# Altium PCB KS2E_PRECHARGE.PcbDoc (continued)
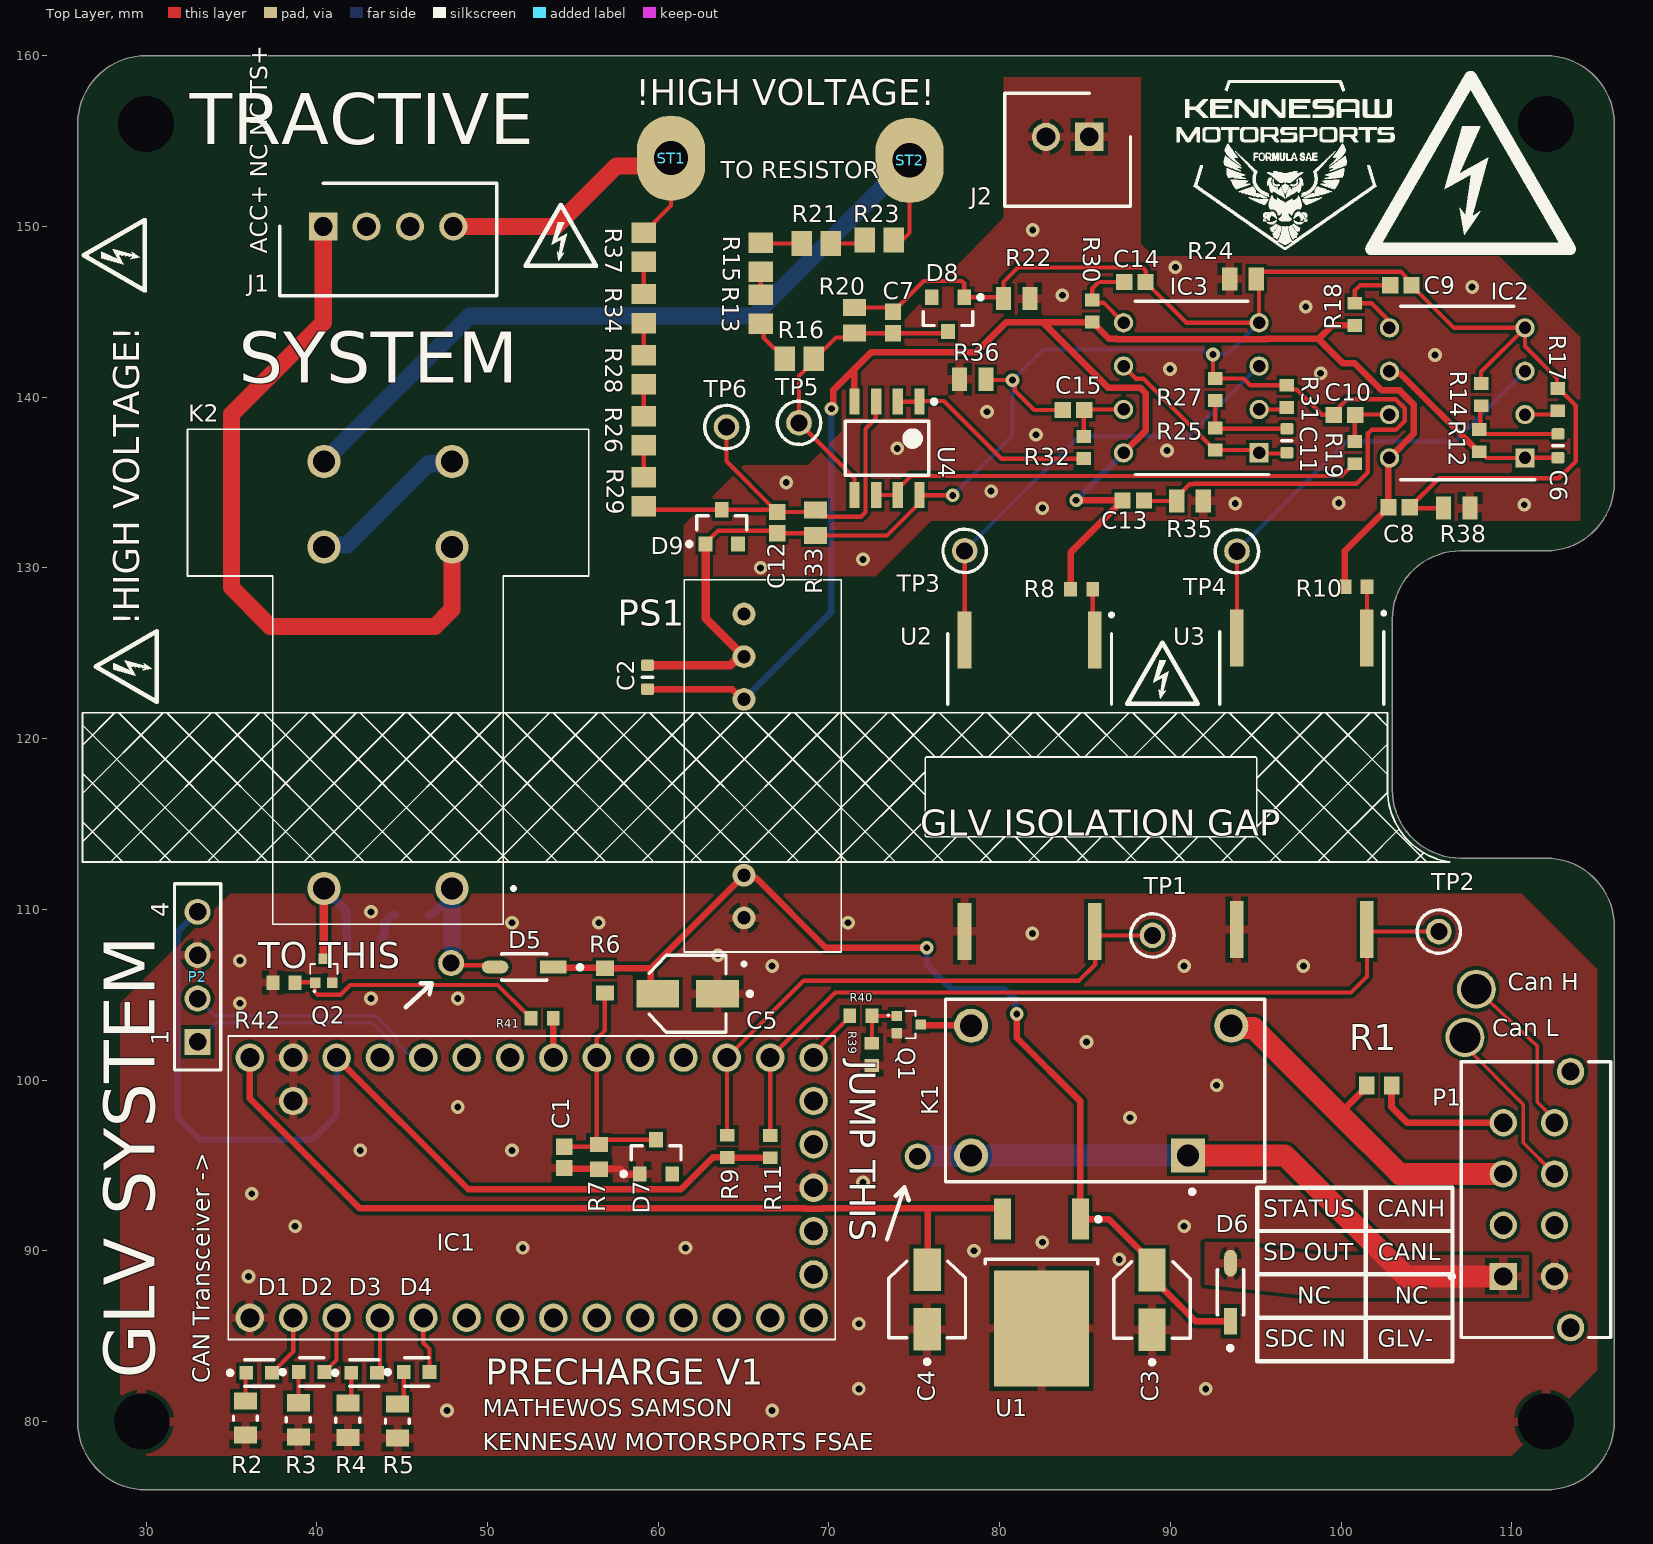
[diagram p0: Top Layer view]
## Footprints (in the part's own frame and the unit in brackets; to place one, negate y for a bottom-side part, rotate by r counter-clockwise, add the part's x,y. Pads: shape width x height; smd on the part's side, far side on the other; paste and mask are expansions set on the pad) (continued)
  rect 0.75x0.85 smd: 1(-0.65,0) 2(0.65,0)
  body extent -0.87,-0.48 0.87,0.48, height 0.55
RESC1608X55X30ML15T15 [mm] "Chip Resistor, 2-Leads, Body 1.60x0.80mm, IPC Low Density"
  rect 0.9x1.05 smd: 1(-0.725,0) 2(0.725,0)
  body extent -0.87,-0.48 0.87,0.48, height 0.55
RESC1609X55X30LL15T15 [mm] "Chip Resistor, 2-Leads, Body 1.75x0.95mm, IPC High Density"
  rect 0.75x0.85 smd: 1(-0.65,0) 2(0.65,0)
  body extent -0.87,-0.48 0.87,0.48, height 0.55
RESC2013X60X40LL20T25 [mm] "Chip Resistor, 2-Leads, Body 2.00x1.25mm, IPC High Density"
  rect 1x1.35 smd: 1(-0.75,0) 2(0.75,0)
  body extent -1.1,-0.72 1.1,0.72, height 0.6
RESC2013X60X40NL20T25 [mm] "Chip Resistor, 2-Leads, Body 2.00x1.25mm, IPC Medium Density"
  rect 1.2x1.45 smd: 1(-0.85,0) 2(0.85,0)
  body extent -1.1,-0.72 1.1,0.72, height 0.6
RESC2013X65X40LL15T20 [mm] "Chip Resistor, 2-Leads, Body 2.00x1.30mm, IPC High Density"
  rect 0.9x1.35 smd: 1(-0.775,0) 2(0.775,0)
  body extent -1.07,-0.72 1.07,0.72, height 0.65
SHDR2W64P0X254_1X2_737X660X1181P [mm]
  rect 1.65x1.65 hole 1.1: 1(0,0)
  round 1.65 hole 1.1: 2(2.54,0)
  silkscreen extent -2.42,-2.54 4.96,4.06, body extent -2.41,-3.3 4.95,3.3, height 11.81
SHDR4W64P0X254_1X4_1271X660X1181P [mm]
  rect 1.65x1.65 hole 1.1: 1(0,0)
  round 1.65 hole 1.1: 2(-2.54,0) 3(-5.08,0) 4(-7.62,0)
  silkscreen extent -10.16,-2.54 2.55,4.06, body extent -10.17,-3.3 2.55,3.3, height 11.81
SOIC762P1940X755-4N [mm]
  rect 3.34x0.8 smd: 1(-8.535,3.81) 2(-8.535,-3.81) 3(8.535,-3.81) 4(8.535,3.81)
  silkscreen extent -10.1,-4.8 -4.75,4.9
SPAN02A12 [mm]
  round 1.337 hole 0.78: 1(0,0) 2(2.5,0) 6(12.8,0) 7(15.3,0) 8(17.8,0)
  round 1.337 on Top Overlay: 3(5,0) 5(10.3,0)
  silkscreen extent -2.8,-5.7 19.8,3.5, body extent -2,-5.7 19.8,3.5, height 11.7
TEENSY40 [mm]
  round 1.665 hole 1.11: 1(0,0) 2(2.54,0) 3(5.08,0) 4(7.62,0) 5(10.16,0) 6(12.7,0) 7(15.24,0) 8(17.78,0) 9(20.32,0) 10(22.86,0) 11(25.4,0) 12(27.94,0) 13(30.48,0) 14(33.02,0) 15(33.02,2.54) 16(33.02,5.08) 17(33.02,7.62) 18(33.02,10.16) 19(33.02,12.7) 20(33.02,15.24) 21(30.48,15.24) 22(27.94,15.24) 23(25.4,15.24) 24(22.86,15.24) 25(20.32,15.24) 26(17.78,15.24) 27(15.24,15.24) 28(12.7,15.24) 29(10.16,15.24) 30(7.62,15.24) 31(5.08,15.24) 32(2.54,15.24) 33(0,15.24) 34(2.54,12.7)
  silkscreen extent -1.27,-1.27 34.29,16.51, body extent -1.87,-1.27 34.39,16.51, height 4.55
TO-252_M [mm] "D-PAK, 4-Leads, Body 6.1x6.5mm, Pitch 2.28mm, Lead Span 9.7mm, IPC Low Density"
  rect 2.4x1 smd: 1(-4.3,2.28) 3(-4.3,-2.28)
  rect 6.8x5.55 smd: 4(2.1,0)
  silkscreen extent -4.42,-3.3 -1.7,3.46, body extent -1.95,-3.3 4.25,3.3, height 2.4

## Part data
C1 C7 C8 C9 C10 C12 C13 C14 C15: library part CMP-001-00017-6, "Chip Capacitor, 100 nF, +/- 10%, 50 V, 0603 (1608 Metric)", Capacitor Type=Ceramic, Case/Package=0603, Max Operating Temperature=125°C, Min Operating Temperature=-55°C, Tolerance=10%, Voltage Rating=50V, Mounting Technology=SM, Pins=2, RoHS Compliant=True
C2 C6 C11: library part CMP-001-00055-4, "Chip Capacitor, 1µF +/-0.1%, 25V, 0603, Thickness 1 mm", Case/Package=0603, Max Operating Temperature=85°C, Min Operating Temperature=-55°C, Tolerance=20%, Voltage Rating=25V, Mounting Technology=SMT, Pins=2
C3 C4 C5: library part CMP-05427-000055-1, "CAP ALUM 10UF 20% 25V SMD", Capacitance=10uF, Case/Package=Radial, Dielectric Material=Aluminium, ESR (Equivalent Series Resistance)=1.35R, Leakage Current=3uA, Max Operating Temperature=105°C, Min Operating Temperature=-55°C, Package Quantity=1, Ripple Current=90mA, Tolerance=20%, Voltage=25V, Construction=Cylindrical, Contact Plating=Tin, Diameter=4mm, Height=5.8mm, Height - Seated (Max)=0.24inch, Impedance=1.35R, Lead Free="Lead Free", Length=5.8mm, Life (Hours)=2000Hour, Mount="Surface Mount", Number of Pins=2, Packaging="Tape and Reel", Polarity=Polar, Radiation Hardening=No, REACH SVHC="No SVHC", Ripple Current (AC)=90mA, RoHS Compliant=Yes, Series=FK, Termination=SMD/SMT, Voltage Rating=25V, Voltage Rating (DC)=25V, Width=5.5mm
D1 D3: library part CMP-2000-06622-2, "LED GREEN CLEAR CHIP SMD", Case Code (Imperial)=0603, Case Code (Metric)=1608, Color=Green, Forward Current=30mA, Forward Voltage=2.3V, Lens Color=Colorless, Max Operating Temperature=85°C, Min Operating Temperature=-55°C, Package Quantity=3000, Power Dissipation=75mW, Reverse Voltage=5V, Test Current=5mA, Case/Package=0603, Depth=0.8mm, Dominant Wavelength=576.5nm, Height=0.35mm, Illumination Color=Green, Lead Free="Lead Free", Length=1.6mm, Lens Style=Diffused, Lens Transparency=Clear, Luminous Intensity=28mcd, Mount="Surface Mount", Number of Elements=1, Number of LEDs=1, Number of Pins=2, Packaging="Tape and Reel", Power Rating=75mW, Radiation Hardening=No, Viewing Angle=130°, Width=0.8mm
D2 D4: library part CMP-2000-06623-2, "LED RED CLEAR CHIP SMD", Case Code (Imperial)=0603, Case Code (Metric)=1608, Color=Red, Forward Current=5mA, Forward Voltage=2.3V, Lens Color=Colorless, Max Operating Temperature=85°C, Min Operating Temperature=-55°C, Package Quantity=3000, Power Dissipation=50mW, Reverse Voltage=5V, Case/Package=0603, Depth=0.8mm, Dominant Wavelength=631nm, Height=0.35mm, Illumination Color=Red, Lead Free="Lead Free", Length=1.6mm, Lens Style=Diffused, Lens Transparency=Clear, Luminous Intensity=45mcd, Mount="Surface Mount", Number of Elements=1, Number of LEDs=1, Number of Pins=2, Packaging="Tape and Reel", Radiation Hardening=No, Test Current=5mA, Viewing Angle=130°, Width=0.8mm
D5 D6: library part CMP-0303-00003-3, "DIODE SCHOTTKY 40V 1A SOD123", Average Rectified Current=1A, Capacitance=110pF, Case/Package=SOD-123-2, Forward Voltage=450mV, Max Forward Surge Current (Ifsm)=25A, Max Operating Temperature=125°C, Max Power Dissipation=450mW, Max Repetitive Reverse Voltage (Vrrm)=40V, Min Operating Temperature=-65°C, Package Quantity=3000, Peak Reverse Current=50uA, Contact Plating=Tin, Current Rating=1A, Element Configuration=Single, Forward Current=1A, Height=1.25mm, Lead Free="Lead Free", Length=2.85mm, Max Reverse Voltage (DC)=40V, Number of Pins=2, Output Current=1A, Packaging="Tape and Reel", Peak Non-Repetitive Surge Current=25A, Polarity=Standard, Radiation Hardening=No, REACH SVHC="No SVHC", Termination=SMD/SMT, Voltage Rating (DC)=40V, Weight=0.000353oz, Width=1.7mm
D7: library part CMP-1060-01189-1, "Zener Voltage Regulator, 225 mW, 3-Pin SOT-23, Pb-Free, Tape and Reel", Manufacturer="On Semiconductor", ComponentLink1Description="Manufacturer URL", ComponentLink1URL=http://www.onsemi.com/, ComponentLink2Description=Datasheet, ComponentLink2URL=http://www.onsemi.com/pub_link/Collateral/BZX84C2V4LT1-D.PDF, ComponentLink3Description="Package Specification", ComponentLink3URL=http://www.onsemi.cn/pub_link/Collateral/318-08.PDF, DatasheetVersion="Rev. 17", Mounting Technology="Surface Mount", PackageDescription="3-Pin Small Outline Transistor, Body 2.92 x 1.3 mm, Pitch 0.95 mm", PackageReference=SOT-23-3-318-08, PackageVersion="Rev. AP, 11/2009", Packing="Tape and Reel", PartNumber=BZX84C3V3LT1G, RoHS=Pb-Free
D8 D9: library part CMP-1060-00857-1, "Zener Voltage Regulator, 225 mW, 3-Pin SOT-23, Pb-Free, Tape and Reel", Manufacturer="On Semiconductor", ComponentLink1Description="Manufacturer URL", ComponentLink1URL=http://www.onsemi.com/, ComponentLink2Description=Datasheet, ComponentLink2URL=http://www.onsemi.com/pub_link/Collateral/BZX84C2V4LT1-D.PDF, ComponentLink3Description="Package Specification", ComponentLink3URL=http://www.onsemi.cn/pub_link/Collateral/318-08.PDF, DatasheetVersion="Rev. 17", Mounting Technology="Surface Mount", PackageDescription="3-Pin Small Outline Transistor, Body 2.92 x 1.3 mm, Pitch 0.95 mm", PackageReference=SOT-23-3-318-08, PackageVersion="Rev. AP, 11/2009", Packing="Tape and Reel", PartNumber=BZX84C12LT1G, RoHS=Pb-Free
D10: library part CMP-0881-00001-1, "High Conductance Fast Switching Diode, 75 V, -55 to 150 degC, 2-Pin SOD523F, RoHS", Manufacturer="Fairchild Semiconductor", Temperature Range="-55 to 150 degC", BVR (IR="5 uA)=75 V Min.", CO="4 pF Max.", ComponentLink1Description="Manufacturer URL", ComponentLink1URL=http://www.fairchildsemi.com/, ComponentLink2Description=Datasheet, ComponentLink2URL=http://www.fairchildsemi.com/ds/1N/1N4148WT.pdf, DatasheetVersion="Rev. A2", IR (VR="75 V)=5 uA Max.", Mounting Technology="Surface Mount", PackageDescription="2-Pin Surface Mount Device, Body 1.2 x 0.8 mm, Height 0.7 mm", PackageReference=SOD-523F-2, PartNumber=1N4148WT, RoHS=TRUE, VF="1 V Max."
D11: library part CMP-1060-01178-1, "Zener Voltage Regulator, 225 mW, 3-Pin SOT-23, Pb-Free, Tape and Reel", Manufacturer="On Semiconductor", ComponentLink1Description="Manufacturer URL", ComponentLink1URL=http://www.onsemi.com/, ComponentLink2Description=Datasheet, ComponentLink2URL=http://www.onsemi.com/pub_link/Collateral/BZX84C2V4LT1-D.PDF, ComponentLink3Description="Package Specification", ComponentLink3URL=http://www.onsemi.cn/pub_link/Collateral/318-08.PDF, DatasheetVersion="Rev. 17", Mounting Technology="Surface Mount", PackageDescription="3-Pin Small Outline Transistor, Body 2.92 x 1.3 mm, Pitch 0.95 mm", PackageReference=SOT-23-3-318-08, PackageVersion="Rev. AP, 11/2009", Packing="Tape and Reel", PartNumber=BZX84C36LT1G, RoHS=Pb-Free
IC1: "Integrated Circuit", Manufacturer_Name=Teensy, Manufacturer_Part_Number="TEENSY 4.0", Datasheet Link=https://www.pjrc.com/store/teensy40.html, Height=4.64mm
IC2 IC3: "Integrated Circuit", Arrow Part Number=LM331N/NOPB, Manufacturer_Name="Texas Instruments", Mouser Part Number=926-LM331N/NOPB, Arrow Price/Stock=https://www.arrow.com/en/products/lm331nnopb/texas-instruments?region=nac, Datasheet Link=http://www.ti.com/lit/ds/symlink/lm231.pdf, Height=5.08mm, Manufacturer_Part_Number=LM331N/NOPB, Mouser Price/Stock=https://www.mouser.co.uk/ProductDetail/Texas-Instruments/LM331N-NOPB?qs=X1J7HmVL2ZHJklHIKp8KMQ%3D%3D
J1 J2: "Connector", Manufacturer_Name=Molex, Mouser Part Number=N/A, Height=11.81mm
  J1: Arrow Part Number=0705430003, Arrow Price/Stock=https://www.arrow.com/en/products/0705430003/molex, Datasheet Link=https://www.molex.com/pdm_docs/sd/705430001_sd.pdf, Manufacturer_Part_Number=0705430003, Mouser Price/Stock=https://www.mouser.co.uk/ProductDetail/Molex/0705430003?qs=PBcRNPEHKsrDKEIJAwSKnQ%3D%3D
  J2: Arrow Part Number=0705430001, Arrow Price/Stock=https://www.arrow.com/en/products/0705430001/molex?region=europe, Datasheet Link=https://www.molex.com/webdocs/datasheets/pdf/en-us/0705430001_PCB_HEADERS.pdf, Manufacturer_Part_Number=0705430001, Mouser Price/Stock=https://www.mouser.co.uk/ProductDetail/Molex/0705430001?qs=PBcRNPEHKsrZYrVlaLTOSA%3D%3D
K1: library part CMP-03396-000213-1, "RELAY GEN PURPOSE SPST 3A 12V", Coil Current=16.67mA, Coil Power=200mW, Coil Resistance=720R, Coil Voltage (DC)=12V, Contact Current Rating=3A, Contact Voltage Rating (DC)=30V, Max Operating Temperature=105°C, Max Voltage Rating (AC)=250V, Min Operating Temperature=-30°C, Package Quantity=100, Application(s)="GENERAL PURPOSE", Approvals=UL, Coil Type=Non-Latching, Contact Material=Silver, Current Rating=3A, Depth=10.2mm, ELV=Compliant, Height=14.7mm, Lead Free="Lead Free", Length=0.717inch, Max Voltage Rating (DC)=30V, Mount="Through Hole", Number of Pins=4, Operate Time=10ms, Packaging=Tray, Power Consumption=200mW, Power Rating=200mW, Radiation Hardening=No, Relay Type="General Purpose", Release Time=4ms, RoHS Compliant=Yes, Series=T77, Termination=PCB, Throw Configuration=SPST, Type=Electromechanical, Voltage Rating (AC)=250V, Weight=9g, Width=0.4inch
K2: "Relay or Contactor", Manufacturer_Name="Omron Electronics", Manufacturer_Part_Number="G2RG-2A-X DC12", Mouser Part Number=653-G2RG-2A-XDC12, Datasheet Link=https://media.digikey.com/pdf/Data%20Sheets/Omron%20PDFs/G2RG-X.pdf, Height=29.5mm, Mouser Price/Stock=https://www.mouser.co.uk/ProductDetail/Omron-Electronics/G2RG-2A-X-DC12?qs=DPoM0jnrROVJ0ySZlbdwjA%3D%3D
P1: library part CMP-1594-00003-1, "3 mm Pitch Micro-Fit 3.0 Connector, 17.27 mm Mated Height, Vertical, Through Hole, 8 Circuits, -40 to 105 degC, RoHS, Tray", Temperature Max="105 degC", Temperature Min="-40 degC", ComponentLink1Description="Manufacturer URL", ComponentLink1URL=http://www.molex.com/, ComponentLink2Description=Datasheet, ComponentLink2URL=http://www.molex.com/webdocs/datasheets/pdf/en-us/0430450812_PCB_HEADERS.pdf, ComponentLink3Description="Package Specification", ComponentLink3URL=http://www.molex.com/pdm_docs/sd/430450812_sd.pdf, Mounting Technology="Through Hole", No. of Positions=8, No. of Rows=2, Orientation=Vertical, PackageDescription="8-Pin PCB Header, Vertical, Pitch 3 mm, Mated Height 17.27 mm, Through Hole", PackageVersion="Rev. F, 06/2009", Packing=Tray, PartNumber=43045-0812, Pitch="3 mm", RoHS=TRUE
P2: library part CMP-1502-01316-1, "THT Vertical Socket Header WR-PHD, Pitch 2.54 mm, Single Row, 4 pins", Contact Resistance=20mOhm, Manufacturer="Wurth Elektronik", Operating Temperature=-40to125degC, Rated Current=3A, Withstanding Voltage=500VAC, Working Voltage=250VAC, Datasheet URL=https://katalog.we-online.de/em/datasheet/6130xx11821.pdf, Gender=Female, Manufacturer URL=http://www.we-online.de, Mounting Technology=THT, Orientation=Vertical, Package Reference=61300411821, Packaging=Tray, Part Number=61300411821, Pin Number=4, Pitch=2.54mm, Publisher=WurthElektronik, Row Number=Single
PS1: "Power Supply", Manufacturer_Name="Mean Well", Mouser Part Number=709-SPAN02A-12, Arrow Part Number=SPAN02A-12, Arrow Price/Stock=https://www.arrow.com/en/products/span02a-12/mean-well-enterprises?region=nac, Datasheet Link=https://datasheet.datasheetarchive.com/originals/distributors/DKDS-2/37032.pdf, Height=11.6mm, Manufacturer_Part_Number=SPAN02A-12, Mouser Price/Stock=https://www.mouser.co.uk/ProductDetail/MEAN-WELL/SPAN02A-12?qs=5aG0NVq1C4wxQqKsG84AkQ%3D%3D
Q1 Q2: "MOSFET (N-Channel)", Manufacturer_Name=Toshiba, Mouser Part Number=757-SSM3K56FSLF, Arrow Part Number=SSM3K56FS,LF, Arrow Price/Stock=https://www.arrow.com/en/products/ssm3k56fslf/toshiba?region=nac, Datasheet Link=http://toshiba.semicon-storage.com/info/docget.jsp?did=13419&prodName=SSM3K56FS, Height=0mm, Manufacturer_Part_Number=SSM3K56FS,LF, Mouser Price/Stock=https://www.mouser.co.uk/ProductDetail/Toshiba/SSM3K56FSLF?qs=PiFplXvYe5XjAd54EjZm0w%3D%3D
R1 R6 R7: library part CMP-2000-00318-1, Manufacturer=Panasonic, Part Number=ERJ-3EKF2002V
R2 R3 R4 R5: library part CMP-03211-010956-1, "SMD Chip Resistor, Thin Film, 200Ω, 100 V, 0805 [2012 Metric], 100 mW, 0.1%, RN73 Series", Manufacturer="TE Connectivity", Package=RN732A, Power Rating=0.1W, Resistance=200Ω, Temperature="-55°C to 155°C", Temperature Coefficient=10ppm/°C, Temperature Range High=155°C, Temperature Range Low=-55°C, Tolerance=0.1%, Voltage Rating=100V, Automotive=No, Category=Res, ComponentLink2Description=Datasheet, ComponentLink2URL=https://www.te.com/commerce/DocumentDelivery/DDEController?Action=showdoc&DocId=Data+Sheet%7F1773270%7FP%7Fpdf%7FEnglish%7FENG_DS_1773270_P.pdf%7F1676162-2, Composition="Thin Film", Device Class L1="Passive Components", Device Class L2=Resistors, Device Class L3="Chip SMD Resistors", Height=0.65mm, Ipc Land Pattern Name=RESC200125X55, Lead Free=Yes, Manufacturer Part Number=RN73C2A200RBTD, Octopart=https://octopart.com/rn73c2a200rbtd-te+connectivity-22736993, octopart_url=https://octopart.com/rn73c2a200rbtd-te+connectivity-22736993, Packaging="5000 Reel", RoHS=TRUE, Series=RN73
R8 R10: library part CMP-1012-00623-3, "Chip Resistor, 10 KOhm, +/- 1%, 0.1 W, -55 to 155 degC, 0603 (1608 Metric), RoHS, Tape and Reel", Case Code (Imperial)=0603, Case Code (Metric)=1608, Manufacturer=Panasonic, Max Operating Temperature=155degC, Max Power Dissipation=100mW, Min Operating Temperature=-55degC, Package Description="2-Pin Surface Mount Device, Body 1.6 x 0.85 mm", Package Quantity=1, Package Reference=603, Resistance=560, Temperature Coefficient=100ppm\/degreesC, Tolerance=1%, Voltage Rating=75V, Case\/Package=0603, Composition=ThickFilm, Contact Plating=Tin, Datasheet URL=https://industrial.panasonic.com/cdbs/www-data/pdf/RDA0000/AOA0000C304.pdf, Datasheet Version=02/2017, Depth=0.8mm, Height=0.45mm, Lead Free=LeadFree, Length=1.6mm, Manufacturer URL=http://www.panasonic.com/, Military Standard=Not, Mount=SurfaceMount, Mounting Technology=SurfaceMount, Number of Pins=2, Number of Terminations=2, Packaging=TapeandReel, Power Rating=100mW, Radiation Hardening=No, REACH SVHC=NoSVHC, RoHSCompliant=true, Termination=SMD/SMT, Voltage Rating (DC)=75V, Width=0.031inch
R9 R11: library part CMP-1012-00623-3, "Chip Resistor, 10 KOhm, +/- 1%, 0.1 W, -55 to 155 degC, 0603 (1608 Metric), RoHS, Tape and Reel", Case Code (Imperial)=0603, Case Code (Metric)=1608, Manufacturer=Panasonic, Max Operating Temperature=155degC, Max Power Dissipation=100mW, Min Operating Temperature=-55degC, Package Description="2-Pin Surface Mount Device, Body 1.6 x 0.85 mm", Package Quantity=1, Package Reference=603, Resistance=1.5k, Temperature Coefficient=100ppm\/degreesC, Tolerance=1%, Voltage Rating=75V, Case\/Package=0603, Composition=ThickFilm, Contact Plating=Tin, Datasheet URL=https://industrial.panasonic.com/cdbs/www-data/pdf/RDA0000/AOA0000C304.pdf, Datasheet Version=02/2017, Depth=0.8mm, Height=0.45mm, Lead Free=LeadFree, Length=1.6mm, Manufacturer URL=http://www.panasonic.com/, Military Standard=Not, Mount=SurfaceMount, Mounting Technology=SurfaceMount, Number of Pins=2, Number of Terminations=2, Packaging=TapeandReel, Power Rating=100mW, Radiation Hardening=No, REACH SVHC=NoSVHC, RoHSCompliant=true, Termination=SMD/SMT, Voltage Rating (DC)=75V, Width=0.031inch
R12 R19 R25 R32: library part CMP-1012-00623-3, "Chip Resistor, 10 KOhm, +/- 1%, 0.1 W, -55 to 155 degC, 0603 (1608 Metric), RoHS, Tape and Reel", Case Code (Imperial)=0603, Case Code (Metric)=1608, Manufacturer=Panasonic, Max Operating Temperature=155degC, Max Power Dissipation=100mW, Min Operating Temperature=-55degC, Package Description="2-Pin Surface Mount Device, Body 1.6 x 0.85 mm", Package Quantity=1, Package Reference=603, Resistance=100K, Temperature Coefficient=100ppm\/degreesC, Tolerance=1%, Voltage Rating=75V, Case\/Package=0603, Composition=ThickFilm, Contact Plating=Tin, Datasheet URL=https://industrial.panasonic.com/cdbs/www-data/pdf/RDA0000/AOA0000C304.pdf, Datasheet Version=02/2017, Depth=0.8mm, Height=0.45mm, Lead Free=LeadFree, Length=1.6mm, Manufacturer URL=http://www.panasonic.com/, Military Standard=Not, Mount=SurfaceMount, Mounting Technology=SurfaceMount, Number of Pins=2, Number of Terminations=2, Packaging=TapeandReel, Power Rating=100mW, Radiation Hardening=No, REACH SVHC=NoSVHC, RoHSCompliant=true, Termination=SMD/SMT, Voltage Rating (DC)=75V, Width=0.031inch
R13 R15 R16 R21 R23 R26 R28 R29 R34 R37: library part CMP-2001-00651-1, Manufacturer=Panasonic, Part Number=ERA-6AEB514V
R14 R27: library part CMP-1012-00623-3, "Chip Resistor, 10 KOhm, +/- 1%, 0.1 W, -55 to 155 degC, 0603 (1608 Metric), RoHS, Tape and Reel", Case Code (Imperial)=0603, Case Code (Metric)=1608, Manufacturer=Panasonic, Max Operating Temperature=155degC, Max Power Dissipation=100mW, Min Operating Temperature=-55degC, Package Description="2-Pin Surface Mount Device, Body 1.6 x 0.85 mm", Package Quantity=1, Package Reference=603, Resistance=47R, Temperature Coefficient=100ppm\/degreesC, Tolerance=1%, Voltage Rating=75V, Case\/Package=0603, Composition=ThickFilm, Contact Plating=Tin, Datasheet URL=https://industrial.panasonic.com/cdbs/www-data/pdf/RDA0000/AOA0000C304.pdf, Datasheet Version=02/2017, Depth=0.8mm, Height=0.45mm, Lead Free=LeadFree, Length=1.6mm, Manufacturer URL=http://www.panasonic.com/, Military Standard=Not, Mount=SurfaceMount, Mounting Technology=SurfaceMount, Number of Pins=2, Number of Terminations=2, Packaging=TapeandReel, Power Rating=100mW, Radiation Hardening=No, REACH SVHC=NoSVHC, RoHSCompliant=true, Termination=SMD/SMT, Voltage Rating (DC)=75V, Width=0.031inch
R17 R31: library part CMP-1012-00623-3, "Chip Resistor, 10 KOhm, +/- 1%, 0.1 W, -55 to 155 degC, 0603 (1608 Metric), RoHS, Tape and Reel", Case Code (Imperial)=0603, Case Code (Metric)=1608, Manufacturer=Panasonic, Max Operating Temperature=155degC, Max Power Dissipation=100mW, Min Operating Temperature=-55degC, Package Description="2-Pin Surface Mount Device, Body 1.6 x 0.85 mm", Package Quantity=1, Package Reference=603, Resistance=12k, Temperature Coefficient=100ppm\/degreesC, Tolerance=1%, Voltage Rating=75V, Case\/Package=0603, Composition=ThickFilm, Contact Plating=Tin, Datasheet URL=https://industrial.panasonic.com/cdbs/www-data/pdf/RDA0000/AOA0000C304.pdf, Datasheet Version=02/2017, Depth=0.8mm, Height=0.45mm, Lead Free=LeadFree, Length=1.6mm, Manufacturer URL=http://www.panasonic.com/, Military Standard=Not, Mount=SurfaceMount, Mounting Technology=SurfaceMount, Number of Pins=2, Number of Terminations=2, Packaging=TapeandReel, Power Rating=100mW, Radiation Hardening=No, REACH SVHC=NoSVHC, RoHSCompliant=true, Termination=SMD/SMT, Voltage Rating (DC)=75V, Width=0.031inch
R18 R30: library part CMP-1012-00623-3, "Chip Resistor, 10 KOhm, +/- 1%, 0.1 W, -55 to 155 degC, 0603 (1608 Metric), RoHS, Tape and Reel", Case Code (Imperial)=0603, Case Code (Metric)=1608, Manufacturer=Panasonic, Max Operating Temperature=155degC, Max Power Dissipation=100mW, Min Operating Temperature=-55degC, Package Description="2-Pin Surface Mount Device, Body 1.6 x 0.85 mm", Package Quantity=1, Package Reference=603, Resistance=6.8k, Temperature Coefficient=100ppm\/degreesC, Tolerance=1%, Voltage Rating=75V, Case\/Package=0603, Composition=ThickFilm, Contact Plating=Tin, Datasheet URL=https://industrial.panasonic.com/cdbs/www-data/pdf/RDA0000/AOA0000C304.pdf, Datasheet Version=02/2017, Depth=0.8mm, Height=0.45mm, Lead Free=LeadFree, Length=1.6mm, Manufacturer URL=http://www.panasonic.com/, Military Standard=Not, Mount=SurfaceMount, Mounting Technology=SurfaceMount, Number of Pins=2, Number of Terminations=2, Packaging=TapeandReel, Power Rating=100mW, Radiation Hardening=No, REACH SVHC=NoSVHC, RoHSCompliant=true, Termination=SMD/SMT, Voltage Rating (DC)=75V, Width=0.031inch
R20: library part CMP-2001-00636-1, Manufacturer=Panasonic, Part Number=ERA6AEB393V
R22 R24 R35 R36 R38: library part CMP-2000-07514-1, "Chip Resistor, 0 Ohm, 0.125 W, -55 to 125 degC, 0805 (2012 Metric), RoHS, Tape and Reel", Case Code (Imperial)=0805, Case Code (Metric)=2012, Manufacturer="TE Connectivity", Max Operating Temperature=125degC, Min Operating Temperature=-55degC, Number of Resistors=1, Package Description="2-Pin Surface Mount Device, Body 2 x 1.25 mm", Package Quantity=5000, Package Reference=RESC2013X65X40L15T20, Power Rating=125mW, Resistance=0mOhm, Tolerance=0%, Voltage Rating=150V, Case\/Package=0805, Composition=ThickFilm, Datasheet URL=www.te.com/commerce/DocumentDelivery/DDEController?Action=showdoc&DocId=Customer+Drawing%7F1623401%7FBA%7Fpdf%7FEnglish%7FENG_CD_1623401_BA.pdf%7F1623401-1, Datasheet Version="Rev. BA, 12/2009", Depth=1.25mm, ELV=Compliant, Height=0.55mm, Length=2mm, Manufacturer URL=http://www.te.com/, Mount=SurfaceMount, Mounting Technology=SurfaceMount, Number of Terminations=2, Packaging=TapeandReel, Radiation Hardening=No, RoHSCompliant=true, Termination=Solder, Weight=0.000194oz, Width=1.25mm
R33: library part CMP-2001-00636-1, Manufacturer=Panasonic, Part Number=ERA6AEB393V
R39 R40 R41 R42: library part CMP-2000-00335-2, "Chip Resistor, 220 Ohm, +/- 1%, 0.1 W, -55 to 155 degC, 0603 (1608 Metric), RoHS, Tape and Reel", Case Code (Imperial)=0603, Case Code (Metric)=1608, Max Operating Temperature="155 degC", Min Operating Temperature="-55 degC", Package Quantity=5000, Power Rating="100 mW", Resistance="22 Ohm", Tolerance=1%, Voltage Rating="50 V", Case\Package=0603, ComponentLink1Description="Manufacturer URL", ComponentLink1URL=http://www.panasonic.com/, ComponentLink2Description=Datasheet, ComponentLink2URL=http://industrial.panasonic.com/cdbs/www-data/pdf/RDA0000/AOA0000C86.pdf, DatasheetVersion=Apr-15, Height="0.45 mm", Length="1.6 mm", Mount="Surface Mount", PackageDescription="2-Pin Surface Mount Device, Body 1.6 x 0.85 mm", PackageReference=0603, Packaging="Tape and Reel", Pins=2, REACH SVHC="No SVHC", RoHSCompliant=true, Voltage Rating (DC)="50 V", Width="0.8 mm"
ST1 ST2: library part CMP-00028-00004-2, "M2 PTH (2.5mm), 5mm pad", Pins=1
TP1 TP2 TP3 TP4 TP5 TP6: library part CMP-002-00037-2, "Test Point, Orange, Height 4.6 mm, Tail Length 3 mm, 1-Pin THD, RoHS", Colour=Orange, Manufacturer=Keystone, Package Description="1-Pin Through Hole Device, Dia 2.54 mm", Package Quantity=10, Case/Package=5003, Connector Type=TestPoint, Contact Material=Bronze, Contact Plating=Tin, Datasheet URL=http://keyelco.com/userAssets/file/M65p56.pdf, Datasheet Version=Jun-15, Diameter=2.54mm, Manufacturer URL=http://www.keyelco.com/, Mounting Technology=TH, Package Reference=5003, Packaging=Bulk, Pins=1, RoHS Compliant=True
U1: library part CMP-0244-00070-1, "500mA, Very Low Drop (0.45V) Voltage Regulator, 5V, 3-Pin DPAK, Tape and Reel", ComponentLink1Description="Manufacturer URL", ComponentLink1URL=http://www.st.com, ComponentLink2Description=Datasheet, ComponentLink2URL=http://www.st.com/internet/com/TECHNICAL_RESOURCES/TECHNICAL_LITERATURE/DATASHEET/CD00000546.pdf, DatasheetVersion=1/11/2010, PackageDescription="3-Pin Transistor Outline Package 2.28 mm Pitch, 9.7 mm Lead Span (DPAK)", PackageReference=TO-252, PackageVersion=2011
U2 U3: "Semiconductor, Optocoupler; 600 mil High Voltage Isolation Dist; CTR, 80-240%; SMD-4", Package="SMD-4 Vishay", Availability=Unavailable, MF="Vishay Semiconductor", MP=CNY65ABST, Price=None, SnapEDA_Link=https://www.snapeda.com/parts/CNY65ABST/Vishay%20Semiconductor%20Opto%20Division/view-part/461465/?ref=snap
U4: library part CMP-1310-00321-1, "Single Supply Dual Operational Amplifier, 3 to 32 V, -40 to 105 degC, 8-Pin SOIC, Pb-Free, Tape and Reel", Manufacturer="On Semiconductor", ComponentLink1Description="Manufacturer URL", ComponentLink1URL=http://www.onsemi.com/, ComponentLink2Description=Datasheet, ComponentLink2URL=http://www.onsemi.cn/pub_link/Collateral/LM358-D.PDF, ComponentLink3Description="Package Specification", ComponentLink3URL=http://www.onsemi.com/pub_link/Collateral/751-07.PDF, DatasheetVersion="Rev. 27", Mounting Technology="Surface Mount", PackageDescription="8-Pin Small Outline Integrated Circuit, Body 4.9 x 3.9 mm, Pitch 1.27 mm", PackageReference=SOIC-8-751-07, PackageVersion="Rev. AK, 02/2011", Packing="Tape and Reel", PartNumber=LM2904DR2G, RoHS=TRUE, VCC Max (V)=32, VCC Min (V)=3

## Free pads (board coordinates)
  round 1.524 hole 1: 2(75.2,95.525) 4(47.875,106.85)
  round 0 hole 3.264 paste-1000 mask+0: 5(30,156)
  round 2.54 hole 3.264 paste-1000 mask+0: 6(112,156)
  round 3.2 hole 3.264 paste-1000 mask+0: 7(112,80) 8(29.75,80)
  round 2.286 hole 1.8: 9(107.923,105.327) 10(107.25,102.5)

## Via types
v1: diameter 0.8, hole 0.4, Top Layer to Bottom Layer, tented top, 39 vias
v2: diameter 0.8, hole 0.4, Top Layer to Bottom Layer, 22 vias

## Nets (pads, with @x,y where several pads share a name; then routed paths per layer and width w, separated by ;. In a path a pad name is that pad's centre, name@x,y a point inside that pad or via, vN(x,y) a via of type N, cw(c..) or ccw(c..) an arc to the next point about the centre after c; other vN are vias at no path point)
+3V3: IC1.31 P2.4 R9.1 R11.1 | length 55.7
  Top Layer w0.381: IC1.31 48.876,93.599 61.331,93.599 63.207,95.475 R9.1 ; R9.1@64.075,95.45 R11.1
  Bottom Layer w0.381: P2.4 31.866,108.701 31.866,97.801 33.147,96.52 39.751,96.52 41.16,97.929 IC1.31
+5V: C4.2 IC1.33 U1.3 | length 53.2
  Top Layer w0.381: IC1.33 36.075,101.31 36.075,98.925 42.511,92.489 68.572,92.489 68.592,92.469 69.608,92.469 69.628,92.489 79.86,92.489 80.17,92.179 U1.3 ; C4.2 75.8,88.95 75.8,92.424
+12V_SUS: C2.1 C8.2 C13.2 IC2.8 IC3.8 PS1.6 R8.1 R10.1 R18.1 R30.1 U4.4 | length 105.5
  Top Layer w0.381: C2.1 64.324,122.9 64.924,122.3 PS1.6 ; v2(70.15,139.325) 70.242,139.417 70.242,140.396 71.495,141.65 ; U4.4 71.495,141.65 ; R8.1 84.15,130.9 C13.2 84.496,133.95 v2(84.48,133.965) ; IC3.8 88.57,138.055 88.57,140.208 88.214,140.564 86.339,140.564 82.503,144.4 ; R10.1 100.225,131 C8.2 102.775,136.385 IC2.8 104.242,137.852 104.242,139.573 103.423,140.392 102.381,140.392 100.8,141.973 100.118,141.973 98.682,143.408 ; R18.1 99.474,144.2 98.682,143.408 ; 71.495,141.65 72.465,142.619 78.619,142.619 80.4,144.4 82.503,144.4 ; 82.503,144.4 R30.1 85.475,144.4 85.66,144.216 85.66,144.166 86.417,143.408 86.851,143.408 86.858,143.401 95.592,143.401 95.599,143.408 98.682,143.408
  Bottom Layer w0.381: PS1.6 70.15,127.425 v2(70.15,139.325) ; v2(84.48,133.965) IC3.8
+GLV: C3.2 C5.2 D5.1 D6.1 PS1.2 R6.2 U1.1 | length 61
  Top Layer w0.381: D5.1 53.888,106.588 56.912,106.588 R6.2 59.575,106.55 ; C5.2@59.969,105.054 59.575,105.449 59.575,106.55 ; v1(75.725,107.755) 69.816,107.755 65.754,111.817 65.208,111.817 PS1.2 59.575,106.55 ; v1(81,103.875) 81,102.48 84.73,98.75 U1.1 86.4,91.85 88.925,89.325 C3.2 88.925,88.425 91.475,85.875 93.55,85.875 D6.1
  Bottom Layer w0.381: v1(75.725,107.755) 75.725,106.775 77.175,105.325 80.3,105.325 80.903,104.722 80.903,103.972 v1(81,103.875)
+SDC_IN: D6.2 K1.1 K1.2 P1.1 pad.2 | length 37.3
  Top Layer w1.27: K1.1 96.694,95.586 103.78,88.5 P1.1
  Bottom Layer w1.27: pad.2 75.23,95.555 78.298,95.555 K1.2 K1.1
+SDC_JUMPER_IN: D5.2 D10.1 K2.1 pad.4 | length 8.6
  Top Layer w0.25: pad.4 48.006,106.719 50.355,106.719 D5.2
  Bottom Layer w0.5: D10.1 46.743,109.677 47.925,110.859 K2.1
  Bottom Layer w1: pad.4@47.925,107.1 K2.1@47.925,110.859
-SDC_OUT: K1.3 P1.3 R1.2 | length 21.9
  Top Layer w0.4: 99.915,98.025 R1.2@101.51,99.62
  Top Layer w0.5: 99.915,98.01 99.915,98.025 ; R1.2@101.51,99.62 R1.2
  Top Layer w1.27: K1.3 93.708,103.046 94.879,103.046 99.915,98.01 103.425,94.5 P1.3
  Bottom Layer w1.27: K1.3 93.568,103.182 93.6,103.15 K1.3@93.604,103.15
ACC+: J1.1 K2.3 | length 41.3
  Top Layer w1: J1.1 40.38,144.38 35,139 35,128.85 37.275,126.575 46.925,126.575 47.925,127.575 K2.3
AccFreqOut: IC2.3 TP4.1 U3.2 | length 26.4
  Top Layer w0.25: U3.2 93.9,125.895 TP4.1
  Bottom Layer w0.25: TP4.1 93.9,131.025 94.025,131.15 94.075,131.15 100.339,137.414 106.664,137.414 IC2.3
AccPWM: IC1.21 R11.2 TP2.1 U3.4 | length 48.5
  Top Layer w0.25: R11.2 66.56,96.76 IC1.21 70.37,105.125 100.575,105.125 101.51,106.06 101.51,108.7 U3.4 101.625,108.7 TP2.1
AccV: C7.2 D8.3 R16.2 R20.2 TP5.1 U4.5 | length 18.1
  Top Layer w0.25: R16.2@69,142 68.25,141.25 TP5.1 71.495,135.255 U4.5 ; R16.2@69.1,142.125 R16.2@69.1,142.188 ; R16.2 R16.2@69.1,142.188 ; D8.3 76.875,143.75 C7.2 R20.2 71.25,143.5 70.412,143.5 R16.2@69.1,142.188
CAN_N: IC1.30 P2.1 | length 13.4
  Bottom Layer w0.2: P2.1 34.134,103.349 43.257,103.349 44.276,102.33 44.276,102.165 43.7,101.589 IC1.30
CAN_P: IC1.29 P2.2 | length 15.1
  Top Layer w0.2: IC1.29@46.228,101.6 46.24,101.588 IC1.29
  Bottom Layer w0.2: P2.2 34.036,103.759 43.427,103.759 44.686,102.5 44.686,102.175 45.292,101.569 45.986,101.569 IC1.29
CANH: P1.8 pad.9 | length 9.8
  Top Layer w0.203: pad.9 111.5,102 111.5,98.692 112.5,97.692 P1.8
CANL: P1.7 pad.10 | length 10.2
  Top Layer w0.203: pad.10 107.25,102 110.68,98.57 110.68,96.32 P1.7
CompIn1: C10.2 IC2.7 R19.1 | length 3.6
  Top Layer w0.25: R19.1 100.8,138.925 C10.2 100.975,138.95 101.025,138.9 101.105,138.98 IC2.7
CompIn2: C15.2 IC3.7 R32.1 | length 3.9
  Top Layer w0.25: R32.1 84.925,139.225 C15.2 84.98,139.28 IC3.7
GND: C1.1 C3.1 C4.1 C5.1 D7.1 IC1.1 IC1.17 IC1.32 IC1.34 P1.5 P2.3 pad.7 pad.8 PS1.1 Q1.2 Q2.2 R2.1 R3.1 R4.1 R5.1 R7.1 R39.2 R42.2 U1.4 U2.3 U3.3 | length 4.7
  Top Layer w0.381: C1.1@54.475,94.775 C1.1@54.5,94.8 ; C1.1 C1.1@54.5,94.8 ; R7.1 R7.1@56.487,94.812 ; D7.1 58.875,94.45 58.15,94.45 57.788,94.812 R7.1@56.487,94.812 ; C1.1@54.5,94.8 54.512,94.812 R7.1@56.487,94.812
  other v1: 47.625,80.645 66.675,80.645 71.755,81.915 92.075,81.915 71.755,85.725 52.07,90.17 61.595,90.17 38.735,91.44 90.805,91.44 36.195,93.345 42.545,95.885 51.435,95.885 87.63,97.79 48.26,98.425 92.71,99.695 85.09,102.235 43.18,104.775 48.26,104.775 66.675,106.68 90.805,106.68 97.79,106.68 63.5,107.315 81.915,108.585 51.435,109.22 56.515,109.22 71.12,109.22 43.18,109.855
  other v2: 36,88.5 87,89.5 78.5,90 82.5,90.5 72,94 35.5,104.5 35.5,107
GND_SUS: C2.2 C7.1 C8.1 C9.1 C10.1 C12.1 C13.1 C14.1 C15.1 D8.1 D9.1 IC2.4 IC3.4 PS1.7 R14.1 R17.1 R20.1 R22.1 R24.1 R27.1 R31.1 R33.1 R35.1 R36.1 R38.1 U4.8 | length 167.9
  Top Layer w0.25: D9.1 63.05,131.675 63.05,131.725 63.503,132.178 66.822,132.178 C12.1 69.1,132.025 R33.1 73.405,131.9 75.305,133.8 U4.8@75.305,134.03 ; R20.1 73.5,145.25 C7.1 75.55,146.8 77.779,146.8 77.925,146.654 D8.1 80.15,145.85 R22.1 80.225,146.75 81.075,147.6 88.375,147.6 88.55,147.425 C14.1 88.9,146.4 90.94,144.36 IC3.4 95.195,146.755 R24.1 95.025,147.028 95.35,147.353 103.494,147.353 103.775,147.072 103.775,146.9 106.615,144.06 IC2.4 ; U4.8 U4.8@75.305,134.055 ; v1(77.25,134.25) 75.5,134.25 U4.8@75.305,134.055 ; R36.1 79.25,141 v1(80.75,141) 80.887,140.863 80.887,140.388 82.025,139.25 C15.1 ; C13.1 88.475,133.925 R35.1 90.375,134.15 91.129,134.904 91.314,134.904 91.339,134.928 100.892,134.928 101.568,135.604 101.568,137.88 101.775,138.087 103.2,138.087 103.723,138.61 103.723,139.35 103.2,139.873 100.334,139.873 99.925,139.464 99.925,139.3 C10.1 99.546,138.979 98.871,138.979 97.4,140.45 97.075,140.45 R31.1 94.677,140.7 94.277,141.1 R27.1 92.5,141.225 v2(92.5,142.5) ; R38.1 104.104,133.5 104.054,133.55 C8.1 105.725,135.25 112.75,135.25 113.75,136.25 113.75,139.5 112.75,140.5 R17.1 112.646,140.554 112.646,141.104 110.77,142.98 IC2.4 ; R14.1 108.2,141.49 IC2.4 ; U4.8@75.305,134.03 75.28,134.03 U4.8@75.305,134.055 ; U4.8@75.305,134.03 U4.8@75.305,134.055
  Top Layer w0.5: C2.2 64.231,124.3 64.731,124.8 PS1.7 62.775,127.05 D9.1
  Bottom Layer w0.25: v1(77.25,134.25) 80.75,137.75 v1(80.75,141) 82.549,142.799 91.89,142.799 92.045,142.644 92.356,142.644 v2(92.5,142.5) 92.54,142.54 93.375,142.54 IC3.4
NetC6_1: C6.1 R12.1 R14.2 | length 6.1
  Top Layer w0.25: R14.2 108.15,139.45 108.15,138.15 R12.1 108.35,137.85 C6.1
NetC6_2: C6.2 IC2.1 IC2.6 R12.2 | length 12
  Top Layer w0.25: R12.2 108.15,136.8 108.51,136.44 IC2.1 110.78,136.45 C6.2
  Top Layer w0.381: IC2.6 102.973,141.377 103.467,141.377 107.809,137.034 107.816,137.034 108.05,136.8 R12.2
NetC11_1: C11.1 R25.1 R27.2 | length 5.8
  Top Layer w0.25: R27.2 R25.1 92.675,138.15 C11.1
NetC11_2: C11.2 IC3.1 IC3.6 R25.2 | length 11.7
  Top Layer w0.25: IC3.6 87.993,141.082 88.429,141.082 92.325,137.186 92.325,137.15 92.575,136.9 R25.2 ; R25.2@92.85,136.9 95.035,136.9 IC3.1 95.235,136.7 96.775,136.7 C11.2
  Top Layer w0.381: R25.2 R25.2@92.85,136.9
NetD1_1: D1.1 R2.2 | length 1.7
  Top Layer w0.25: R2.2 35.825,82.8 D1.1
NetD2_1: D2.1 R3.2 | length 1.8
  Top Layer w0.25: R3.2 38.925,82.875 D2.1
NetD3_1: D3.1 R4.2 | length 1.9
  Top Layer w0.25: R4.2 42.025,81.275 D3.1
NetD4_1: D4.1 R5.2 | length 2
  Top Layer w0.25: R5.2 45.1,81.4 D4.1
NetD10_2: D10.2 D11.1 | length 1.8
  Bottom Layer w0.5: D11.1 43.808,108.341 43.958,108.491 43.958,109.192 44.443,109.677 D10.2
NetIC2_2: IC2.2 R17.2 | length 2
  Top Layer w0.25: IC2.2 112.48,138.98 R17.2
NetIC3_2: IC3.2 R31.2 | length 1.7
  Top Layer w0.25: IC3.2 96.705,139.28 R31.2
NetK1_4: K1.4 Q1.3 | length 3
  Top Layer w0.381: Q1.3 75.407,103.218 78.296,103.218 K1.4
NetK2_4: K2.4 K2.6 | length 9.6
  Bottom Layer w1: K2.6 40.55,131.35 41.8,131.35 46.55,136.1 47.8,136.1 K2.4
NetQ1_1: Q1.1 R39.1 R40.1 | length 3
  Top Layer w0.25: R39.1 72.517,103.759 R40.1 ; R40.1@72.543,103.75 Q1.1
NetQ2_1: Q2.1 R41.2 R42.1 | length 15.5
  Top Layer w0.25: R42.1 38.741,105.725 39.9,105.725 39.9,105.146 40.046,105 41.392,105 41.967,105.575 50.593,105.575 52.254,103.914 52.304,103.914 52.554,103.664 R41.2
NetR13_1: R13.1 R15.2 | length 1.4
  Top Layer w0.25: R13.1 R15.2@66,147.25 ; R15.2@66,147.67 R15.2@66.1,147.77
NetR13_2: R13.2 R16.1 | length 3.4
  Top Layer w0.25: R13.2@65.5,144.25 65.5,143.8 R13.2@65.675,143.975 ; R13.2 66.179,144.121 66.179,143.471 66.8,142.85 66.925,142.85 67.4,142.375 R16.1
NetR15_1: R15.1 R21.1 | length 2.6
  Top Layer w0.25: R15.1@65.4,148.85 R15.1@65.55,149 ; R15.1 66.05,149 R21.1
NetR19_2: R19.2 U4.6 U4.7 | length 29
  Top Layer w0.24: U4.6 U4.7 74.035,134.614 74.803,135.382 100.032,135.382 100.75,136.1 R19.2
NetR21_2: R21.2 R23.1 | length 2
  Top Layer w0.25: R21.2 R23.1@72.106,149
NetR26_1: R26.1 R28.2 | length 1.9
  Top Layer w0.25: R26.1 R28.2
NetR26_2: R26.2 R29.1 | length 1.9
  Top Layer w0.25: R29.1 R26.2
NetR28_1: R28.1 R34.1 | length 1.9
  Top Layer w0.25: R28.1 R34.1
NetR32_2: R32.2 U4.1 U4.2 | length 12.3
  Top Layer w0.25: U4.2 U4.1 75.338,139.773 76.725,139.773 80.097,136.4 R32.2
NetR34_2: R34.2 R37.1 | length 1.9
  Top Layer w0.25: R34.2 R37.1
OptoIn1: R8.2 U2.1 | length 3
  Top Layer w0.25: R8.2 85.45,125.895 U2.1
OptoIn2: R10.2 U3.1 | length 3
  Top Layer w0.25: U3.1 101.51,128.885 R10.2
"PCHG STATUS": P1.4 R1.1 | length 8.2
  Top Layer w0.4: R1.1 102.96,98.42 103.88,97.5 P1.4
PCHG_EN: IC1.26 R41.1 | length 2.3
  Top Layer w0.381: R41.1 53.857,103.611 53.857,101.318 IC1.26
PCHG_RES_OUT: K2.5 R23.2 ST2.1 | length 47
  Top Layer w0.25: K2.5@40.35,136.1 40.425,136.175 K2.5 ; R23.2@74.1,149 74.725,149.625 ST2.1
  Bottom Layer w0.25: K2.5@40.375,136.35 40.425,136.3 K2.5
  Bottom Layer w1: K2.5@40.375,136.35 40.55,136.35 48.958,144.758 65.608,144.758 ST2.1
PCHGDRN: D11.3 K2.8 Q2.3 | length 8.5
  Top Layer w0.5: Q2.3@40.4,107.125 40.412,107.138 40.412,111.212 K2.8
  Bottom Layer w0.5: K2.8 41.758,109.892 D11.3
PWR_OK: C1.2 D7.3 IC1.25 R6.1 R7.2 | length 14.4
  Top Layer w0.25: C1.2 56.15,96.1 56.4,96.35 56.4,100.9 56.375,100.925 56.4,100.95 56.4,102.436 56.875,102.911 R6.1 ; R7.2 56.8,96.5 D7.3
Rc1: C9.2 IC2.5 R18.2 | length 5.8
  Top Layer w0.25: IC2.5 102.662,144.228 102.662,144.623 101.784,145.5 R18.2 100.8,146.25 101.1,146.55 C9.2
Rc2: C14.2 IC3.5 R30.2 | length 5.1
  Top Layer w0.25: IC3.5 86.079,145.536 85.589,145.536 R30.2 85.425,146.375 85.8,146.75 C14.2
SDC_EN: IC1.20 R40.2 | length 3.3
  Top Layer w0.25: IC1.20 69.1,101.592 71.225,103.717 R40.2
STATUS_LED0: D1.2 IC1.2 | length 3.7
  Top Layer w0.25: D1.2 38.62,84.095 IC1.2
STATUS_LED1: D2.2 IC1.3 | length 3.5
  Top Layer w0.25: D2.2 41.16,83.61 IC1.3
STATUS_LED2: D3.2 IC1.4 | length 3.3
  Top Layer w0.25: D3.2 43.7,83.025 IC1.4
STATUS_LED3: D4.2 IC1.5 | length 3.6
  Top Layer w0.25: IC1.5 46.075,86.075 46,86 46.24,85.76 46.24,84.614 46.6,84.254 D4.2
TS+: J1.4 R37.2 ST1.1 | length 19.6
  Top Layer w0.25: R37.2 60.75,151.225 ST1.1
  Top Layer w1: J1.4@47.879,150 J1.4 54,150 57.547,153.547 60.297,153.547 ST1.1
TS-: J2.1 J2.2 R22.2 R24.2 R35.2 R36.2 R38.2
  other v1: 110.725,133.7 93.8,133.775 82.125,137.8 98.8,141.4 105.5,142.475 97.925,145.3 83.675,145.975 107.675,146.45
  other v2: 66,130 72,130.5 82.5,133.5 99.859,133.802 79.5,134.5 67.5,135 89.798,136.881 74,137 79.262,139.15 89.974,141.647 90.29,147.61 81.935,149.792
TsFreqOut: IC3.3 TP3.1 U2.2 | length 26.9
  Top Layer w0.25: U2.2 77.95,125.795 TP3.1
  Bottom Layer w0.25: TP3.1 84.669,137.719 91.094,137.719 IC3.3
TsPWM: IC1.22 R9.2 TP1.1 U2.4 | length 33.7
  Top Layer w0.25: R9.2@64.035,96.79 IC1.22@64.035,101.3 ; IC1.22@64.035,101.33 68.53,105.825 84.65,105.825 85.6,106.775 85.6,108.675 85.8,108.475 TP1.1
  Top Layer w0.381: IC1.22 IC1.22@64.035,101.3 ; R9.2@64.035,96.79 R9.2
TsV: C12.2 D9.3 R29.2 R33.2 TP6.1 U4.3 | length 26.2
  Top Layer w0.25: R29.2 59.35,133.4 D9.3 C12.2@66.85,133.4 ; TP6.1 64,136.25 C12.2@66.85,133.4 ; U4.3 72.741,139.716 72.741,138.751 72.136,138.146 72.136,133.261 71.875,133 69.921,133 69.896,133.025 69.6,133.025 R33.2 69.1,133.275 C12.2 C12.2@66.85,133.4
pads on no net: D7.2 D8.2 D9.2 D11.2 IC1.6 IC1.7 IC1.8 IC1.9 IC1.10 IC1.11 IC1.12 IC1.13 IC1.14 IC1.15 IC1.16 IC1.18 IC1.19 IC1.23 IC1.24 IC1.27 IC1.28 J1.2 J1.3 P1.2 P1.6 P1.MH1 P1.MH2 PS1.3 PS1.5 PS1.8

## Polygon pours and split planes (outlines as drawn)
TS- on Top Layer "TS-_L01_P000" (solid, pour order 0): 80.118,150.385 80.25,150.518 80.25,158.75 88.25,158.75 88.25,149 89,148.25 109.25,148.25 114,143.5 114,132.75 76,132.75 72.75,129.5 61.5,129.5 61.5,132.5 65,136 68.75,136 70.75,138 70.75,140.75
GND on Top Layer "GND_L01_P004" (solid, pour order 4): 28.5,78 28.5,104.5 34.922,110.922 110.578,110.922 115,106.5 115,83 110,78 106,78
+SDC_IN on Top Layer "+SDC_IN_L01_P003" (solid, pour order 3): 111,87.25 111,89.75 99,89.75 95,90.25 95,90.5 92,90.5 92,88 99,87.25
no net on Top Overlay "NONET_L-01_P-001" (hatched 45Degree grid 2 track 0.1): 24.892,121.514 24.892,112.776 108.712,112.776 108.712,121.514
TS- on Bottom Layer "TS-_L02_P001" (solid, pour order 1): 80.118,150.385 80.25,150.518 80.25,158.75 88.25,158.75 88.25,149 89,148.25 109.25,148.25 114,143.5 114,132.75 76,132.75 72.75,129.5 61.5,129.5 61.5,132.5 65,136 68.75,136 70.75,138 70.75,140.75
GND on Bottom Layer "GND_L02_P005" (solid, pour order 5): 28.5,78 28.5,104.5 34.922,110.922 107.078,110.922 115,103 115,85 108,78 106,78
no net on Bottom Overlay "NONET_L-01_P-001" (hatched 45Degree grid 2 track 0.1): 24.892,121.514 24.892,112.776 108.712,112.776 108.712,121.514

## Silkscreen, mask and mechanical layers (free items; w line width, h text height)
Top Overlay:
  drawing of 99 lines, arcs and shapes, not listed
  text "!HIGH VOLTAGE!" at 58.674,157.099 h1.52
  text "TRACTIVE" at 32.569,154.805 h3
  text "TO RESISTOR" at 63.663,152.832 h1
  text "ACC+ NC NC TS+" at 37.109,148.412 h1 r90
  text "SYSTEM" at 35.425,140.835 h3
  text "!HIGH VOLTAGE!" at 29.591,126.619 h1.52 r90
  text "GLV ISOLATION GAP" at 75.344,114.3 h1.52
  text "TO THIS" at 36.576,106.553 h1.52
  text "Can H" at 109.754,105.254 h1
  text "Can L" at 108.85,102.577 h1
  text "JUMP THIS" at 71.222,101.168 h1.52 r270
  text "STATUS" at 95.432,91.993 h1
  text "CANH" at 102.147,91.993 h1
  text "SD OUT" at 95.432,89.453 h1
  text "CANL" at 102.147,89.453 h1
  text "NC" at 97.432,86.913 h1
  text "NC" at 103.147,86.913 h1
  text "SDC IN" at 95.515,84.373 h1
  text "GLV-" at 102.147,84.373 h1
  text "GLV SYSTEM" at 30.5,82.5 h3 r90
  text "CAN Transceiver ->" at 33.746,82.254 h1 r90
  text "PRECHARGE V1" at 49.911,82.169 h1.52
  text "MATHEWOS SAMSON" at 49.73,80.305 h1
  text "KENNESAW MOTORSPORTS FSAE" at 49.73,78.305 h1
Bottom Overlay:
  text "8.74mm" at 54.356,122.174 h1.52
Mechanical 1:
  lines w0.254: 107,131 ccw(c107,127) 103,127 103,117 ccw(c107,117) 107,113 112,113 ; 107,131 112,131 ccw(c112,135) 116,135 ; 107,131 107,131 ; 111,76 112,76 ccw(c112,80) 116,80 116,109 ccw(c112,109) 112,113 ; 111,76 111,76 ; 111,76 33,76 30,76 cw(c30,80) 26,80 26,156 cw(c30,156) 30,160 112,160 cw(c112,156) 116,156 116,135 ; 112,113 112,113 ; 116,135 116,135

## Dimensions
26.281,112.776 to 26.281,121.514 on Bottom Overlay
26.281,121.514 to 26.281,112.776 on Top Overlay
30,76 to 32.5,159.2 on Mechanical 1
30,76 to 111,76 on Mechanical 1

## Text inside footprints (layer, text, board x,y; h text height)
P2: Top Overlay "1" at 31.32,102.045 h1.02 r90; Top Overlay "4" at 31.32,109.545 h1.02 r90